# Allegro board RK3568_Template_DDR4P216SD6_48x32_1600MHZ_V10_20210129GXL.brd (continued)
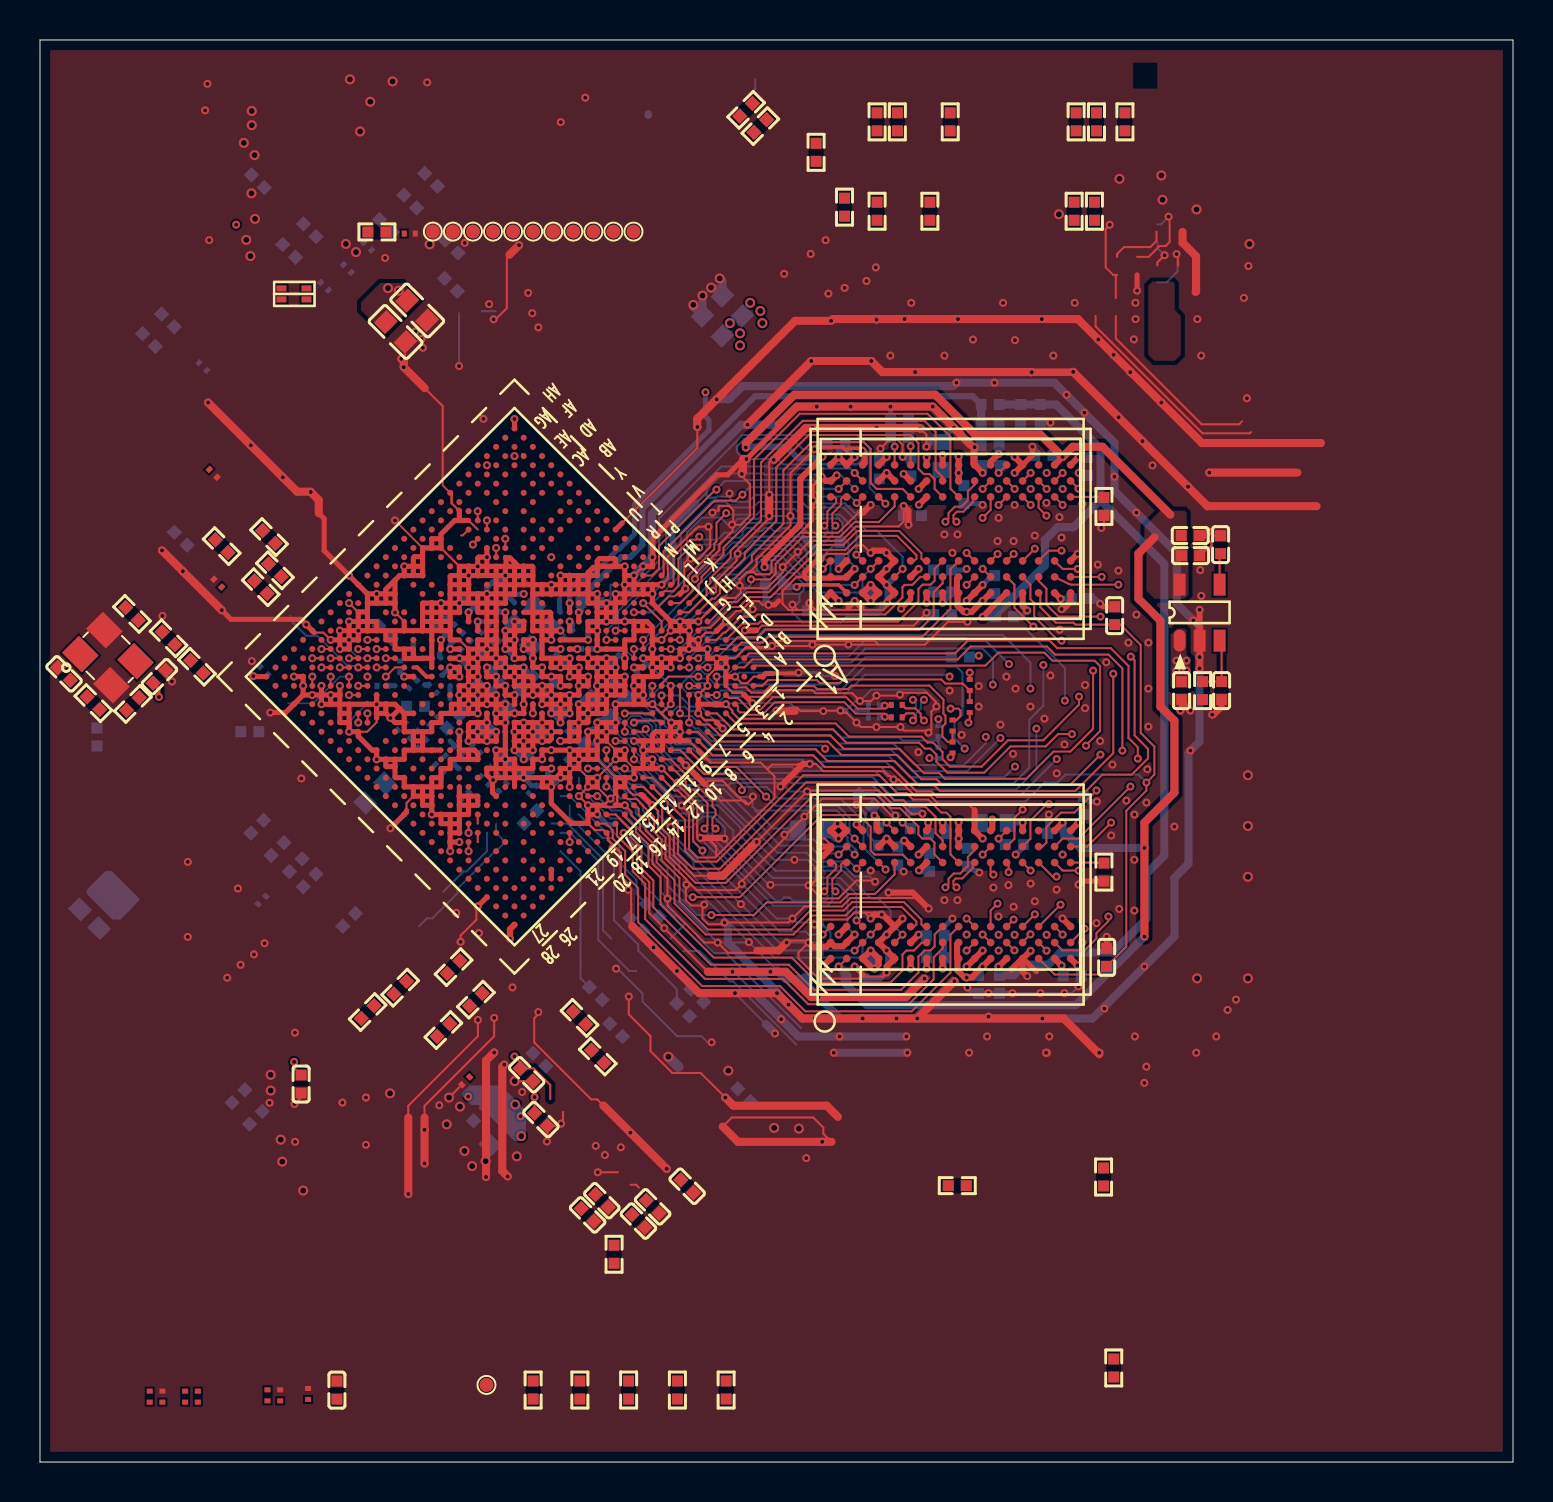
[diagram p0: board, top side]
## Routing (per net, layer and track width the routed paths; a pad name or vN(x,y) marks a point on that pad's centre or on a via; arc(x,y) is an arc through that point) (continued)
  TOP w0.3: U3300.E1 v1(42.34,43.87)
  TOP w0.305: v1(42.34,24.48) 42.34,24.78 U3301.E1 v1(42.34,25.58) U3301.D2 v1(42.34,26.38) U3301.E3 ; v1(46.34,24.78) U3301.K1 v1(47.14,25.58) ; U3301.D8 v1(42.34,31.18) U3301.E8 ; v1(42.43,28.48) 43.64,28.48 v1(44.44,27.68) ; U3301.C9 v1(40.83,31.88) ; 46.74,32.6 U3301.K9 v1(47.14,31.18) ; U3300.N1 49.14,42.82 v1(49.37,42.59) ; U3300.K9 46.68,49.93 46.68,50.73 46.54,50.87 ; U3300.K9 v1(47.14,49.47) ; U3300.K9 v1(46.74,50.76) ; 37.79,37.52 37.4,37.52 37.34,37.58 v1(36.83,37.58) ; U3301.G8 v1(43.94,30.38) ; v1(57.53,37.58) 57.09,38.02 ; 57.09,38.02 57.09,37.64 v1(57.03,37.58) ; 57.09,38.02 C3322.2 ; v1(48.74,49.47) U3300.N9 49.14,49.87 v1(48.74,50.27) ; v1(43.13,27.18) U3301.E3 ; U3301.E3 42.14,27.38 v1(42.09,27.38) 41.74,27.38 v1(41.54,27.18) ; U3300.E8 v1(42.34,49.47) U3300.D8 ; v1(46.34,43.07) U3300.K1 v1(47.14,43.87) ; U3301.H1 v1(45.14,24.68) ; U3301.N1 49.14,24.53 v1(49.37,24.3) ; U3301.N1 49.15,25.18 v1(49.54,25.57) ; U3301.N1 49.13,25.18 48.59,24.64 ; C3324.2 58.24,46.34 v1(58.44,46.53) ; v1(38.49,34.91) 38.16,34.91 v1(37.03,33.78) ; v1(33.02,31.21) 34.2,31.21 v1(34.23,31.18) ; v1(51.09,42.66) 51.17,42.66 51.54,43.02 U3300.T1 ; U3300.C9 41.24,49.97 41.24,50.47 v1(41.14,50.57) ; U3301.T3 v1(51.13,27.19) ; v1(42.34,43.87) U3300.D2 v1(42.34,44.67) U3300.E3 v1(42.34,45.47) 42.23,45.58 41.65,45.58 v1(41.54,45.47) ; v1(57.99,42.62) 57.99,41.78 ; 57.99,41.78 U3302.2 v1(57.99,40.26) v1(57.99,39.69) ; 57.99,41.78 v1(57.68,42.09) ; v1(38.43,25.98) 38.64,25.76 39.32,25.76 U3301.A2 39.72,25.8 40.15,25.8 U3301.B2 v1(40.74,26.38) ; C3323.2 57.99,45.43 v1(58.44,45.88) ; U1000.J8 v1(29.24,40.2) ; 41.09,42.72 v1(40.74,43.07) 40.44,42.77 ; U3301.N9 v1(49.14,31.98) ; v1(43.19,47.82) 43.43,47.58 v1(43.43,46.88) ; U3300.H1 v1(45.14,42.98) ; v1(51.88,24.83) U3301.T1 ; U3300.B2 v1(40.74,44.67) ; U3301.H9 v1(45.14,31.98) ; v1(39.84,49.34) 39.56,49.07 U3300.A8 39.29,49.07 v1(39.09,49.27) ; 33.25,33.89 v1(32.3,34.84) ; 39.14,30.28 39.54,30.68 U3301.A8 v1(39.04,30.78) ; 35.82,41.59 v1(35.25,41.59) ; U1000.A28 23.5,26.64 v1(23.5,26.18) ; U3300.T3 v1(51.89,45.42) ; C3301.2 v1(53.34,26.27) ; v1(41.54,47.87) 41.15,47.48 ; v1(58.62,37.38) 58.71,37.38 59.09,37.76 C3329.2 ; U3300.H9 v1(45.14,50.37) ; U3300.G8 v1(43.94,48.67) ; U3301.F1 v1(43.54,24.68)
  TOP w0.381: v1(49.59,54.51) 51.65,54.51 51.66,54.51 ; 35.87,25.58 36.94,25.58 v1(37.34,25.98)
  TOP w0.406: v1(22.71,20.48) 22.31,20.08 v1(22.31,14.25) ; v1(31.34,14.66) v1(29.53,16.47) 28.17,17.83 ; 39.58,16.01 v1(39.12,16.01) 34.9,16.01 34.14,16.78 ; v1(8.41,52.98) v1(10.54,50.85) v1(12.14,49.25) 12.86,48.53 13.52,48.53 v1(13.54,48.51) 13.94,48.11 13.94,47.45 ; v1(35.38,51.88) v1(38.57,55.07) v1(41.57,55.07) 42.13,54.51 v1(43.76,54.51) 49.58,54.51 v1(49.59,54.51) ; 19.24,53.71 v1(18.19,54.76) 18.19,55.05 v1(18.07,55.17) ; v1(43.87,22.19) v1(45.73,24.05) ; v1(43.87,22.19) v1(42.83,22.19) v1(41.14,22.19) v1(38.74,22.19) 38.12,22.19 v1(37.43,22.88) v1(36.86,23.45) v1(34.75,23.45) 32.96,23.45 v1(31.85,24.56) v1(30.68,25.73) 29.63,26.78 29.63,26.79 ; v1(43.87,22.19) 51.19,22.19 52.9,20.47 v1(52.97,20.47) 52.97,20.4 ; v1(36.69,50.12) 38.29,51.72 v1(38.63,51.72) v1(41.84,51.72) 43.99,51.72 v1(44.03,51.68) ; 50.36,20.47 v1(50.31,20.47) ; v1(35.1,49.42) 35.1,49.51 35.16,49.56 35.16,50.14 35.18,50.17 v1(35.33,50.17) ; 64.06,50.96 58.1,50.96 v1(56.07,52.99) v1(53.69,55.38) v1(52.92,56.14) 51.9,57.16 v1(45.91,57.16) 39.64,57.16 v1(39.56,57.07) 37.76,57.07 v1(33.84,53.15) 32.87,52.18 32.87,51.77 v1(32.87,51.76) ; v1(18.42,13.4) 18.42,17.22 ; v1(35.84,31.01) 34.14,29.32 33.53,29.32 ; 51.66,54.51 v1(51.67,54.52) v1(53.94,52.25) v1(55.13,51.06) v1(57.41,48.78) 58.39,47.8 63.84,47.8 ; 23.48,60.38 v1(23.95,60.86) ; v1(9.09,42.6) v1(7.14,44.55) v1(6.1,45.59) ; 36.95,51.88 37.85,52.78 v1(38.84,52.78) v1(40.54,52.78) v1(42.53,52.78) v1(44.65,52.78) v1(45.7,51.73) 46.04,51.39 46.04,51.37 46.54,50.87 ; v1(34.27,18.23) 34.67,17.82 39.34,17.82 39.9,17.26 ; v1(23.22,19.87) 23.12,19.77 23.12,14.55 v1(23.39,14.28) ; 62.87,49.48 v1(58.47,49.48) ; v1(44.23,24.18) 43.3,23.25 v1(38.94,23.25) 38.56,23.25 37.3,24.52 v1(36.53,24.52) v1(34.63,24.52) 33.4,24.52 ; v1(36.46,48.38) v1(36.46,47.31) ; 57.14,61.52 57.14,60.98 57.81,60.31 57.81,58.55 57.79,58.52 ; 19.23,17.22 v1(19.23,16.61) v1(19.23,14.93)
  L3-POWER w0.508: 61.48,44.64 59.39,42.54 59.39,27.85 51.07,19.53 37.65,19.53 36.71,18.59 v2(36.71,16.71)
  L4-S1 w0.089: 25.07,35.56 25.15,35.56 25.56,35.16 ; 25.07,35.56 24.69,35.18 24.69,34.65 24.87,34.47 25.24,34.84 25.24,34.84 25.42,35.02 25.56,35.16 ; 25.07,35.56 25.51,36 25.63,36 26.05,35.59 26.05,35.16 25.56,35.16
  L4-S1 w0.102: 42.02,53.91 45.37,53.91 45.67,53.61 49.03,53.61 49.53,54.11 57.36,54.11 ; 41.91,53.61 45.17,53.61 45.47,53.3 49.23,53.3 49.74,53.81 57.15,53.81
  L4-S1 w0.406: v1(36.69,50.12) 39.05,52.48 v1(52.23,52.48) 53,52.48 v1(55.63,49.85) 55.63,35.83 56.34,35.11 56.34,24.55 53.6,21.8 37.75,21.8 v1(31.38,28.18)
  BOTTOM w0.089: v1(16.83,37.9) 16.78,37.84 16.28,37.84 15.57,37.13 15.57,36.64 v1(15.45,36.52) ; v1(36.61,40.81) 36.43,40.63 34.28,40.63 v1(33.84,40.2) 33.72,40.08 33.26,40.08 32.98,39.8 32.98,39.68 33.06,39.61 ; v1(28.33,36.52) U1000.F12 29.11,36.2 29.55,36.2 29.69,36.06 v1(29.7,36.06) v1(30.16,35.6) 30.36,35.41 30.36,35.4 30.62,35.14 v1(30.62,35.14) 31.08,34.69 ; v1(31.08,34.68) 31.08,34.69 ; 31.08,34.69 31.08,34.69 ; 32.24,37.78 31.88,37.78 31.67,37.57 31.41,37.57 ; 33.06,39.61 32.79,39.61 32.79,39.6 32.47,39.29 32.47,39.27 32.79,38.96 33.24,38.96 v1(33.38,38.82) ; 33.06,39.61 33.06,39.6 33.24,39.42 33.51,39.42 33.7,39.6 34.16,39.6 v1(34.3,39.74) ; C1009.2 25.8,41.8 v1(26.03,41.58) 26.22,41.38 C1405.2 ; v1(30.62,39.74) 31.08,39.28 31.08,39.28 31.54,38.82 v1(31.54,38.82) 31.08,38.82 30.74,38.47 30.74,38.02 30.63,37.91 ; C1212.2 v1(27.86,40.66) 27.87,40.66 27.93,40.72 28.82,40.72 28.97,40.57 29.34,40.57 29.54,40.36 29.56,40.36 29.72,40.2 v1(30.16,40.2) ; 26.03,33.31 26.49,33.31 27.51,32.28 27.51,32.27 ; 31.41,37.57 31.12,37.86 30.68,37.86 30.63,37.91 ; 31.41,37.57 31.57,37.42 v1(31.57,36.98) 31.57,36.96 v1(32,36.52) ; 30.63,37.91 v1(30.62,37.9) ; 26.29,40 C1209.2 ; 33.74,43.68 33.67,43.61 v1(33.67,43.58) ; 33,44.42 v1(32.75,44.17) 32.32,43.73 ; 30.85,32.58 30.85,32.62 v1(30.62,32.85) 30.45,32.85 29.62,33.68 29.46,33.68 27.87,35.27 v1(27.87,36.06) 28.32,36.06 28.73,35.66 28.73,35.2 v1(28.78,35.14) 28.79,35.14 28.86,35.07 29.32,35.07 29.64,34.75 29.92,34.75 30.24,34.43 30.24,34.43 31.73,32.94 31.79,32.94 ; 29.24,36.98 29.57,37.31 30.01,37.31 30.14,37.18 30.5,37.18 30.81,36.88 30.81,36.59 31.71,35.68 ; 29.24,36.98 29.24,36.98 29.37,36.85 29.38,36.85 29.64,36.59 29.91,36.59 30.38,36.12 31.65,34.84 v1(32.3,34.84) ; 29.24,36.98 v1(28.78,36.98) ; v1(27.41,33.77) 27.41,34.23 ; 27.41,34.23 27.4,34.23 26.94,34.69 v1(26.49,34.69) ; 27.41,34.23 27.86,34.23 v1(27.86,34.22) 27.87,34.22 27.87,33.76 28.45,33.18 v1(28.53,33.18) ; v1(29.18,31.46) 29.75,30.89 ; 37.45,39.48 34.96,39.48 v1(34.76,39.28) ; v1(31.08,43.88) 31.08,43.87 30.62,43.42 v1(30.62,43.42) 30.05,43.42 29.24,42.61 v1(29.24,42.04) ; v1(28.32,42.96) 28.53,43.16 28.53,43.88 28.53,43.88 29.24,43.88 ; 22.81,31.93 U1000.G24 23.09,31.18 23.13,31.14 23.13,30.87 22.94,30.68 22.88,30.68 20.88,28.68 20.88,28.64 ; v1(34.3,37.9) 34.35,37.95 v1(35.63,37.95) ; 19.81,41.8 C1700.2 ; 31.98,38.82 32,38.82 32.34,38.48 32.8,38.48 v1(32.92,38.36)
  BOTTOM w0.102: C3308.2 37.48,31.64 v1(37.23,31.38) 37.23,31.24 37.33,31.14 38.68,31.14 v1(39.04,30.78) 40.34,30.78 v1(40.74,30.38) 40.82,30.46 40.82,30.6 40.39,31.03 40.39,31.25 40.28,31.35 40.28,32.15 39.85,32.58 35.78,32.58 ; 32.41,45.16 32.36,45.1 32.36,46.5 33.09,47.23 34.04,47.23 34.39,46.88 v1(34.6,46.88) 34.9,47.18 35.93,47.18 36.07,47.31 v1(36.46,47.31) v1(37.53,47.31) 37.53,47.28 37.63,47.18 39.92,47.18 40.13,46.98 40.13,46.28 ; 32.41,45.16 32.44,45.18 v1(32.55,45.18) ; 32.41,45.16 33.01,45.16 33.21,45.35 34.01,45.35 34.65,45.99 35.25,45.99 35.54,46.28 38.06,46.28 38.15,46.37 38.24,46.27 38.13,46.27 38.24,46.17 ; 34.43,33.85 34.54,33.96 37.08,33.96 37.5,33.54 v1(38.36,33.54) 38.38,33.55 40.78,33.55 40.95,33.38 ; 34.43,33.85 34.43,33.71 34.89,33.25 35.6,33.25 35.62,33.28 v1(35.65,33.28) 35.62,33.25 35.62,32.78 35.78,32.63 35.78,32.58 ; 34.43,33.85 32.54,33.85 32.54,33.85 32.01,33.85 v1(31.88,33.98) 31.79,33.98 v1(31.08,34.68) ; 35.72,68.64 35.77,68.7 35.77,69.16 ; R3316.2 41.39,31.37 41.39,32.12 41.28,32.23 41.28,32.44 v1(40.83,32.88) ; v1(38.23,32.28) 37.64,31.69 36.67,31.69 35.78,32.58 ; C3340.2 39.91,45.99 39.87,46.02 ; 55.88,59.9 55.88,60 v1(56.24,60.36) 55.88,60.72 55.88,61 ; 34.64,44.18 34.54,44.08 34.14,44.08 33.74,43.68 ; 34.64,44.18 35.1,44.18 35.49,44.57 35.91,44.57 ; 34.64,44.18 v1(34.99,43.83) ; v1(36.43,42.87) 36.43,43.16 36.68,43.41 37.98,43.41 ; 39.58,44.27 38.92,44.27 37.89,45.29 v1(37.89,45.52) 37.54,45.87 35.71,45.87 35.27,45.43 v1(34.89,45.43) 34.4,44.94 33.53,44.94 33,44.42 ; 39.58,44.27 U3300.B2 v1(40.74,44.67) ; 39.58,44.27 39.53,44.32 39.53,44.88 39.23,45.18 v1(39.03,45.18) 39.87,46.02 ; 29.75,30.89 31.04,29.6 31.04,28.51 31.37,28.18 v1(31.38,28.18) 31.69,28.18 v1(33.89,25.98) 35.47,25.98 ; v1(32.92,38.36) 33.1,38.36 33.7,37.76 34.16,37.76 v1(34.3,37.9) ; v1(39.09,49.27) 39.04,49.27 38.93,49.38 36.23,49.38 36.17,49.44 35.12,49.44 v1(35.1,49.42) 35.08,49.44 34.13,49.44 33.33,48.64 33.33,48.47 ; 55.88,59 56.33,59 56.89,59.55 56.89,60.36 v1(56.84,60.41) ; 31.54,26.19 32.25,26.9 31.86,27.29 31.75,27.29 30.12,28.93 30.12,30.05 29.28,30.88 29.28,30.9 28.65,31.53 28.25,31.53 27.51,32.27 ; 35.91,44.57 36.49,44 36.49,43.92 ; 35.91,44.57 35.84,44.65 35.84,44.88 36.07,45.11 36.79,45.11 v1(37.14,44.76) 37.43,44.47 37.64,44.47 38.19,43.91 38.19,43.62 37.98,43.41 ; v1(31.54,31.75) 32.61,31.75 32.83,31.97 ; v1(31.54,31.75) 30.85,32.44 30.85,32.58 ; v1(31.54,31.75) 31.54,31.48 32.88,30.14 32.88,30.07 35.05,27.9 v1(35.05,27.9) 36.97,25.98 v1(37.34,25.98) v1(38.43,25.98) 38.93,25.98 39.03,25.88 39.33,25.88 39.53,26.08 39.53,26.49 39.06,26.95 38.8,26.95 v1(38.73,26.88) ; v1(34.63,24.52) 34.69,24.52 35.76,23.45 ; v1(32.27,43.68) 32.32,43.73 ; 40.13,46.28 39.87,46.02 ; 40.13,46.28 40.43,45.98 40.43,45.08 40.73,44.78 40.73,44.68 ; 33.33,48.47 33.33,48.33 33.44,48.23 33.79,48.23 33.84,48.28 34.32,48.28 v1(34.48,48.44) 34.53,48.39 34.53,48.13 34.63,48.03 35.44,48.03 35.79,48.38 v1(36.46,48.38) 38.22,48.38 38.23,48.38 38.37,48.38 v1(38.66,48.09) 38.66,48.05 38.76,47.94 40.26,47.94 40.74,47.47 40.93,47.47 ; 33.33,48.47 32.84,47.98 32.84,47.98 ; 38.05,21.7 34.31,25.45 33.7,25.45 32.89,26.26 ; v1(38.73,50.65) 38.14,50.65 37.63,51.16 35.22,51.16 34.85,50.79 34.85,50.51 35.2,50.17 v1(35.33,50.17) 36.64,50.17 v1(36.69,50.12) 36.74,50.17 36.89,50.17 37.16,49.89 39.14,49.89 39.15,49.9 40.87,49.9 41.14,50.17 v1(41.14,50.57) ; v1(33.58,20.99) 33.38,20.99 33.08,21.3 31.86,21.3 30.13,23.02 30.13,23.43 28.88,24.68 v1(28.81,24.68) ; 41.24,42.47 41.04,42.27 40.33,42.27 40.03,41.98 38.13,41.98 37.63,42.48 37.63,42.68 37.98,43.03 37.98,43.41 ; v1(42.34,43.87) 42.54,43.67 C3316.2 ; 26.03,31.47 26.51,31.47 27.92,30.06 27.92,26.11 29.47,24.56 29.81,24.56 ; 28.56,26.18 28.15,26.59 28.15,30.16 26.38,31.93 25.57,31.93 ; v1(42.78,32.33) 42.78,32.39 41.71,33.46 41.03,33.46 C3343.2 ; 44.47,50.92 v1(44.33,50.78) ; v1(35.63,37.95) 37.51,37.95 37.84,37.62 39.11,37.62 v1(39.17,37.56) 40,37.56 ; v1(41.76,29.02) 41.51,29.28 40.74,29.28 40.24,29.78 38.74,29.78 38.4,30.12 v1(37.73,30.12) 36.71,30.12 35.84,30.99 v1(35.84,31.01) 35.81,31.01 35.23,31.6 35.23,31.81 33.95,33.09 32.33,33.09 v1(32.08,32.84) 31.98,32.94 31.79,32.94 ; v1(34.3,42.04) 33.54,41.28 33.08,41.28 32.92,41.12 v1(32.92,41.12) 32,40.2 v1(32,40.2) v1(31.08,40.2) ; v1(31.54,38.82) 31.98,38.82 32.45,39.29 32.47,39.29 ; 32.83,31.97 32.83,31.21 v1(33.02,31.21) 33.02,31.19 35.1,29.11 v1(35.1,28.91) 35.1,28.91 36.83,27.18 v1(37.63,27.18) 37.83,26.98 38.63,26.98 ; 32.83,31.97 33.14,32.28 33.68,32.28 34.25,31.71 34.25,31.06 36.44,28.87 v1(36.53,28.87) 38.4,28.87 v1(38.43,28.84) 38.99,28.84 39.04,28.89 39.92,28.89 40.38,28.43 40.38,26.74 v1(40.74,26.38) ; v1(51.93,23.78) 51.6,23.45 v1(51.23,23.45) v1(50.03,23.45) v1(48.63,23.45) ; v1(47.43,23.45) 47.41,23.43 C3310.2 ; 22.35,31.47 22.35,30.55 21.34,29.54 21.18,29.54 20.16,28.51 ; 35.47,25.98 36.86,24.59 ; 35.47,25.98 v1(35.45,26) 31.97,29.48 31.97,29.97 29.25,32.7 29.25,32.84 v1(29.24,32.85) 29.24,32.85 28.86,32.85 v1(28.53,33.18) ; v1(32,42.04) 33.54,43.58 v1(33.67,43.58) ; 40,37.56 v1(40.03,37.58) ; 40,37.56 40.28,37.56 40.88,38.16 40.9,38.16 v1(41,38.06) 41.57,38.63 44.19,38.63 44.83,38 44.83,37.79 v1(44.83,37.79) ; 32.24,37.78 32.46,37.55 32.81,37.55 v1(32.92,37.44) 32.92,37.41 33.65,36.68 v1(34.14,36.68) ; v1(39.84,49.34) 40.06,49.34 v1(40.74,48.67) ; 18.94,26.78 19.34,27.19 19.62,27.19 20.88,28.44 20.88,28.64 ; v1(56.44,62.29) 56.05,61.9 55.88,61.9 ; 22.79,57.56 22.09,57.56 ; 20.96,57.45 v1(20.96,54.81) ; C3336.2 42.27,49.47 v1(42.34,49.47) ; 32.17,25.55 32.99,25.55 34.5,24.04 34.66,24.04 37.82,20.88 ; v1(32,36.52) 32.04,36.49 32.84,36.49 33.49,35.84 39.09,35.84 v1(39.26,35.67) ; 36.3,21.89 34.75,23.44 v1(34.75,23.45) ; v1(42.68,34.14) 42.05,34.76 38.95,34.76 38.8,34.91 v1(38.49,34.91) 38.35,34.91 38.13,35.13 33.19,35.13 32.64,35.68 31.71,35.68 ; 40.07,37.56 40.05,37.58 ; 42.35,49.43 42.3,49.43 ; C3321.2 43.51,50.27 v1(43.14,50.27) ; v1(39.76,39.31) 39.17,39.31 39,39.48
  BOTTOM w0.152: 37.45,39.48 v1(37.94,39.48) 39,39.48
  BOTTOM w0.203: v1(42.36,42.98) 42.34,43 v1(42.34,43.87)
  BOTTOM w0.254: 22.53,38.64 v1(22.35,38.82) v1(22.81,38.36) ; 22.53,38.64 C1005.2 22.53,38.64 ; v1(53.01,42.92) 52.75,43.19 C3313.2 ; 19.99,40.48 19.99,40.27 20.05,40.2 ; C3335.2 47.6,44.33 v1(47.14,43.87) ; C3300.2 40.05,37.56 v1(40.03,37.58) ; v1(45.63,27.18) 45.22,26.78 C3334.2 C3345.2 45.22,24.77 v1(45.14,24.68) ; C3337.2 46.28,44.61 v1(46.34,44.67) ; C3338.2 38.37,42.86 v1(38.48,42.97) ; v1(47.14,49.47) 47.12,49.49 R3319.2 ; R3312.2 43.98,32.57 v1(44.13,32.42) ; C3328.2 50.39,32.32 v1(50.45,32.38) ; v1(24.19,43.42) 24.17,43.4 23.3,43.4 23.73,42.98 23.73,42.96 ; v1(49.63,50.78) 49.75,50.66 C3326.2 ; v1(26.03,44.34) 26.06,44.3 ; 26.06,44.3 C1406.2 26.06,44.3 ; 25.59,43.54 25.59,43.85 v1(25.57,43.88) ; C3318.2 46.82,50.84 v1(46.74,50.76) ; v1(52.85,33.03) 52.44,33.03 C3339.2 ; C3341.2 42.54,25.38 v1(42.34,25.58) ; C3331.2 47.08,47.93 v1(47.14,47.87) ; v1(30.62,39.74) 30.5,39.87 R1100.2 30.25,40.11 v1(30.16,40.2) ; v1(45.7,51.73) 45.08,51.11 C3309.2 44.56,51.02 44.47,50.92 ; v1(21.89,40.2) C1013.2 v1(22.35,40.66) ; v1(43.14,50.27) 43.19,50.22 C3321.2 ; 26.03,42.5 25.98,42.54 25.98,43.15 ; C3317.2 44,30.44 v1(43.94,30.38) ; v1(20.97,40.2) 21.17,40 21.28,40 21.28,39.89 v1(21.43,39.74) ; v1(43.19,47.82) 43.18,47.81 C3320.2 ; v1(23.27,39.74) 23.14,39.86 C1012.2 22.96,40.05 v1(22.81,40.2) ; v1(43.19,29.53) 42.9,29.82 C3344.2 ; 24.63,34.51 24.48,34.51 v1(24.19,34.22) ; C3314.2 44.43,42.38 v1(44.33,42.48) ; C3333.2 45.34,31.78 v1(45.14,31.98) ; C3304.2 28.3,42.98 v1(28.32,42.96) ; v1(46.37,23.73) 46.68,23.43 C3310.2 46.95,23.45 v1(47.43,23.45) 47.44,23.44 C3305.2 48.62,23.44 v1(48.63,23.45) ; C3319.2 45.59,43.44 v1(45.14,42.98) ; v1(24.19,34.22) 24.58,33.83 C1509.2 25.5,33.83 v1(25.57,33.76) 25.77,33.97 C1300.2 26.03,34.21 v1(26.03,34.22) ; v1(24.19,34.22) 23.7,34.71 C1000.2 23.69,34.72 23.33,35.08 23.33,35.09 23.05,35.38 23.04,35.38 v1(22.81,35.6) ; v1(21.43,37.9) 20.98,37.45 C1409.2 20.84,37.48 ; C1100.2 27.52,36.64 v1(27.4,36.52) ; C1007.2 24.63,39.3 v1(24.19,39.74) ; C1014.2 24.56,42.87 24.19,42.5 ; v1(51.93,23.78) 52.07,23.92 C3311.2 ; v1(29.24,40.2) 29.11,40.34 C1101.2 ; C3332.2 46.51,29.79 46.73,29.57 46.88,29.57 v1(46.97,29.48) ; v1(42.34,31.18) 42,30.84 R3316.2 ; C3306.2 49.06,42.28 v1(49.37,42.59) ; v1(48.79,30.38) 49.18,30.77 R3318.2 ; C3336.2 42.04,49.17 v1(42.34,49.47) ; C3307.2 49.11,31.95 v1(49.14,31.98) ; C1600.2 21.15,43.14 v1(20.97,42.96) ; C1404.2 28.27,41.99 v1(28.32,42.04) ; 22.52,43 22.35,43.17 v1(22.35,43.42) 22.35,43.72 22.67,44.04 22.97,44.04 v1(23.27,44.34) ; C1104.2 28,37.12 v1(27.86,36.98) ; v1(42.34,24.48) 42.01,24.15 C3327.2 ; v1(27.87,36.06) 27.72,35.91 C1103.2 ; 20.51,38.82 20.51,38.18 ; v1(36.43,42.87) 36.26,43.03 C3325.2 ; v1(23.73,37.44) 23.53,37.64 C1018.2 23.3,37.01 v1(23.27,36.98) ; v1(44.03,51.68) 43.56,52.15 R3313.2 R3317.2 42.54,52.77 v1(42.53,52.78) ; C1008.2 25.17,38.76 v1(25.11,38.82) ; 20.05,34.38 C1402.2 ; v1(30.16,38.36) 30.09,38.28 C1102.2 29.17,38.28 v1(28.78,37.9) ; v1(50.53,51.98) 50.52,51.99 R3323.2 ; C3315.2 38.96,50.88 v1(38.73,50.65) ; 28.79,31.88 28.37,31.88 v1(27.86,32.39) ; C1700.2 19.81,41.8 ; v1(26.03,39.74) 26.21,39.92 C1209.2 26.29,40 v1(26.49,40.2) ; 19.25,38.87 C1213.2 19.25,38.87 ; 18.86,39.09 C1205.2 18.86,39.09
  BOTTOM w0.305: C3343.2 40.83,33.27 v1(40.83,32.88) ; 40.93,47.47 41.14,47.47 v1(41.54,47.87) ; 41.24,42.47 41.88,42.47 42.34,42.93 42.34,42.95 v1(42.36,42.98) ; v1(34.3,42.04) 34.59,41.74 34.68,41.74 ; 38.24,46.17 38.74,45.67 38.74,45.47 v1(39.03,45.18) ; v1(31.08,43.88) 31.08,43.88 31.63,44.42 31.63,45.67 31.69,45.73 31.69,45.83 31.64,45.89 31.64,46.78 31.74,46.88 32.84,47.98 ; v1(51.94,49.47) 52.27,49.47 C3342.2 ; 35.32,42.38 35.6,42.66 v1(35.64,42.66) ; v1(40.74,44.67) 40.73,44.68 ; v1(38.73,26.88) 38.63,26.98 ; 42.74,44.27 v1(42.34,43.87)
  BOTTOM w0.381: 30.42,67.42 30.42,67.36
  BOTTOM w0.406: 36.86,24.59 37.3,24.15 C3312.2 38.37,23.82 v1(38.94,23.25) 40.01,22.18 ; v2(32.67,57.87) 32.67,57.78 C1011.2 v2(33.13,58.34) ; v1(43.32,21.28) v1(39.98,21.28) 37.92,21.28 v1(37.06,22.15) 35.76,23.45 ; v1(33.84,53.15) 34.47,53.15 35.13,53.81 45.66,53.81 v1(45.83,53.98) v1(47.73,53.98) 50.73,53.98 v1(51.33,53.37) v1(52.23,52.48) 53.73,50.98 v1(53.73,49.28) 53.73,48.58 v1(54.83,47.48) 56.85,45.46 56.85,42.92 v1(57.68,42.09) 57.98,41.79 57.98,40.27 v1(57.99,40.26) 57.98,40.25 57.98,36.03 v1(57.53,35.58) 57.43,35.48 57.43,29.92 56.73,29.22 56.73,26.28 v1(55.23,24.78) 52.63,22.18 v1(50.13,22.18) 40.01,22.18 ; v1(43.37,20.47) v1(39.7,20.47) ; 40.01,22.18 38.13,22.18 v1(37.43,22.88) v1(36.86,23.45) 36.86,23.52 34.4,25.98 34.4,26.81 v1(34.23,26.98) ; v1(38.84,52.78) 37.84,52.78 36.93,51.88 35.38,51.88 v1(35.38,51.88) 35.37,51.87 35.05,51.87 32.85,49.67 30.6,47.41 30.6,45.23 30.17,44.8 v1(30.16,44.8) 30.16,44.79 v1(29.7,44.34) ; 36.3,21.89 v1(36.76,21.44) ; v2(33.56,58.74) 33.58,58.74 33.63,58.69 33.76,58.69 C1010.2 34.13,59.05 v2(33.99,59.19)
  BOTTOM w0.508: 31.93,19.77 v2(31.42,20.27)
  vias: v1(6.12,42.32) v1(7.39,26.26) v1(7.39,30.01) v1(8.26,67.6) v1(8.37,68.92) v1(8.46,61.11) v1(9.36,24.22) v1(9.9,28.68) v1(10.03,24.87) v1(10.59,40.06) v1(10.7,25.39) v1(11.23,25.95) v1(11.48,17.97) v1(12.75,21.48) v1(12.76,16.01) v1(13.07,34.19) v1(15.12,17.97) v1(16.37,39.28) v1(16.3,18.23) v1(16.3,15.86) v1(17.26,60.22) v1(18.78,56.54) v1(19.08,56.17) v1(19.15,55.72) v1(19.36,69) v1(19.97,17.84) v1(20.82,27.46) v1(21.24,60.97) v1(21.95,26.45) v1(22.18,52.17) v1(22.35,49.85) v1(22.46,57.91) v1(23.63,23.74) v1(23.73,50.31) v1(24.11,18.5) v1(24.41,58.47) v1(24.61,57.45) v1(24.92,56.74) v1(25.57,45.26) v1(26.04,67.01) v1(27.27,68.23) v1(27.79,15.81) v1(28.25,15.35) v1(29.04,15.74) v1(37.21,59.43) v1(38.32,15.2) v1(38.54,60.42) v1(39.29,61.11) v1(39.42,58.43) v1(40.24,58.72) v1(41.33,59.07) v1(41.54,29.58) v1(41.8,59.74) v1(41.83,57.13) v1(42.52,55.33) v1(43.23,57.16) v1(43.57,57.97) v1(43.93,35.51) v1(45.23,55.33) v1(45.23,46.39) v1(45.23,28.1) v1(45.49,38.58) v1(45.63,45.47) v1(45.88,46.39) v1(45.88,28.1) v1(46.09,36.37) v1(46.34,26.38) v1(46.46,20.47) v1(46.66,56.13) v1(46.94,38.81) v1(46.94,37.78) v1(47.36,21.28) v1(47.43,22.28) v1(47.68,28.73) v1(47.88,46.06) v1(47.94,48.67) v1(47.94,47.22) v1(47.93,27.28) v1(47.94,26.37) v1(47.94,25.58) v1(48.03,36.88) v1(48.16,57.97) v1(48.33,39.28) v1(48.43,28.85) v1(48.69,46.06) v1(48.66,35.42) v1(48.69,27.77) v1(48.75,56.11) v1(48.74,47.87) v1(48.79,38.68) v1(48.74,26.37) v1(49.54,48.67) v1(49.53,37.78) v1(49.54,28.93) v1(49.75,46.33) v1(49.75,28.04) v1(50.1,57.16) v1(50.23,37.18) v1(50.34,49.47) v1(50.33,47.97) v1(50.34,26.37) v1(50.47,21.28) v1(50.53,39.34) v1(50.67,55.33) v1(50.84,34.44) v1(50.83,28.63) v1(50.98,47.25) v1(51.09,46.23) v1(50.99,41.62) v1(51.14,48.67) v1(51.14,30.38) v1(51.23,35.88) v1(51.74,57.97) v1(52.13,47.92) v1(52.13,25.98) v1(52.26,38.86) v1(52.26,37.71) v1(52.83,26.95) v1(52.9,44.88) v1(53.01,36.06) v1(53.23,22.68) v1(53.32,40) v1(53.56,31.33) v1(53.63,34.88) v1(53.93,44.58) v1(53.97,27.66) v1(54.33,33.08) v1(54.43,40.98) v1(54.52,54.51) v1(54.78,57.97) v1(54.79,57.16) v1(54.7,56.15) v1(54.73,32.38) v1(54.72,30.12) v1(54.72,27.58) v1(54.75,21.28) v1(54.83,42.38) v1(55.22,18.96) v1(55.38,34.65) v1(55.33,32.98) v1(55.33,19.77) v1(55.43,40.98) v1(55.43,38.68) v1(55.43,36.78) v1(56.73,31.78) v1(57.87,57.16) v1(57.82,20.47) v1(58.07,55.33) v1(58.02,44.61) v1(58.07,43.32) v1(58.82,21.28) v1(59.39,22.61) v1(59.81,23.13) v1(60.2,58.22) v1(60.35,53.2) v1(60.43,59.81) v2(10.19,65.97) v2(10.32,61.12) v2(10.59,67.57) v2(10.59,66.86) v2(10.58,63.45) v2(10.52,60.31) v2(10.73,65.36) v2(10.75,62.17) v2(11.54,19.37) v2(11.54,18.58) v2(12.04,16.12) v2(12.11,15.02) v2(13.16,13.58) v2(15.3,60.92) v2(15.5,69.15) v2(15.8,60.51) v2(16.01,66.55) v2(16.51,68.03) v2(17.5,18.44) v2(17.63,69.05) v2(19.48,60.9) v2(20.34,16.89) v2(21,17.77) v2(21.22,15.56) v2(21.61,14.8) v2(22.28,15.05) v2(23.84,15.29) v2(34.42,19.57) v2(37.95,16.67) v2(50.95,62.41) v2(53.98,64.18) v2(56.08,64.35) v2(56.13,63.13) v2(57.83,62.65) v2(57.86,24.19) v2(60.48,60.92) v2(60.4,34.35) v2(60.4,31.81) v2(60.4,29.27) v2(60.4,24.19)
